# Altium PCB Mirror TurnSignal v1.0.PcbDoc
Units mm, origin at the board's own origin, x right, y up, seen from the top; angles counter-clockwise.
Board outline 81.4 x 47.08 mm, 2 copper layers (Top Layer, Bottom Layer); 30 components, 26 nets, 106 pads, 10 vias.
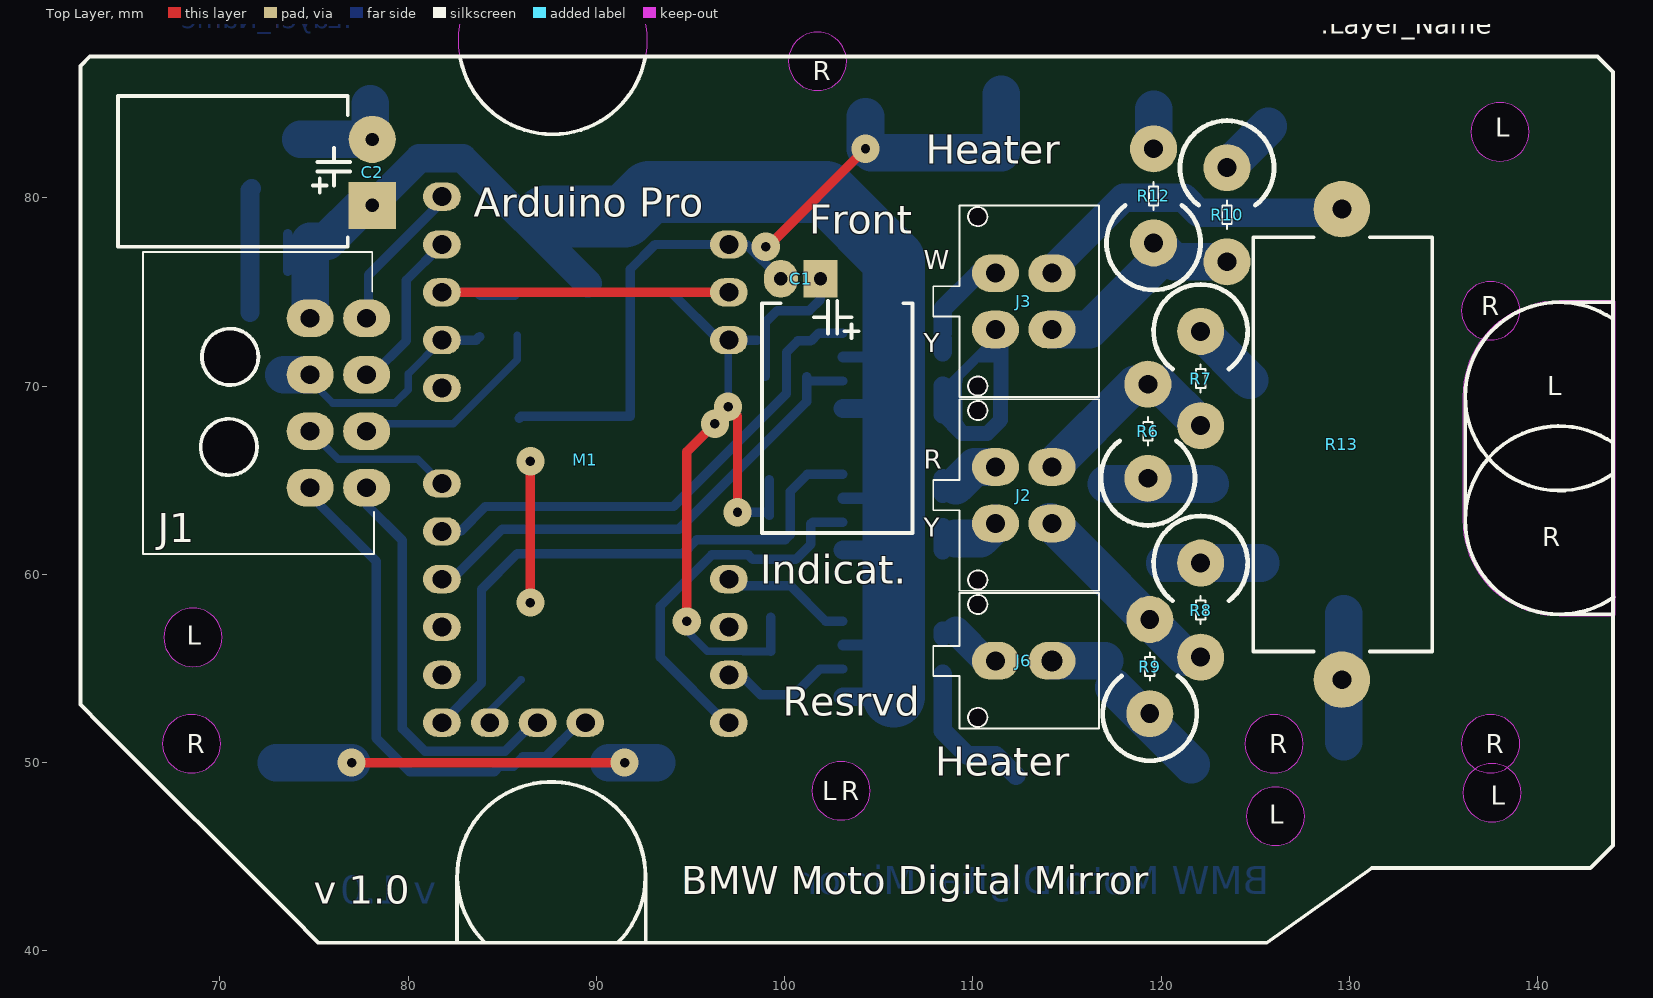
[diagram p0: Top Layer view]
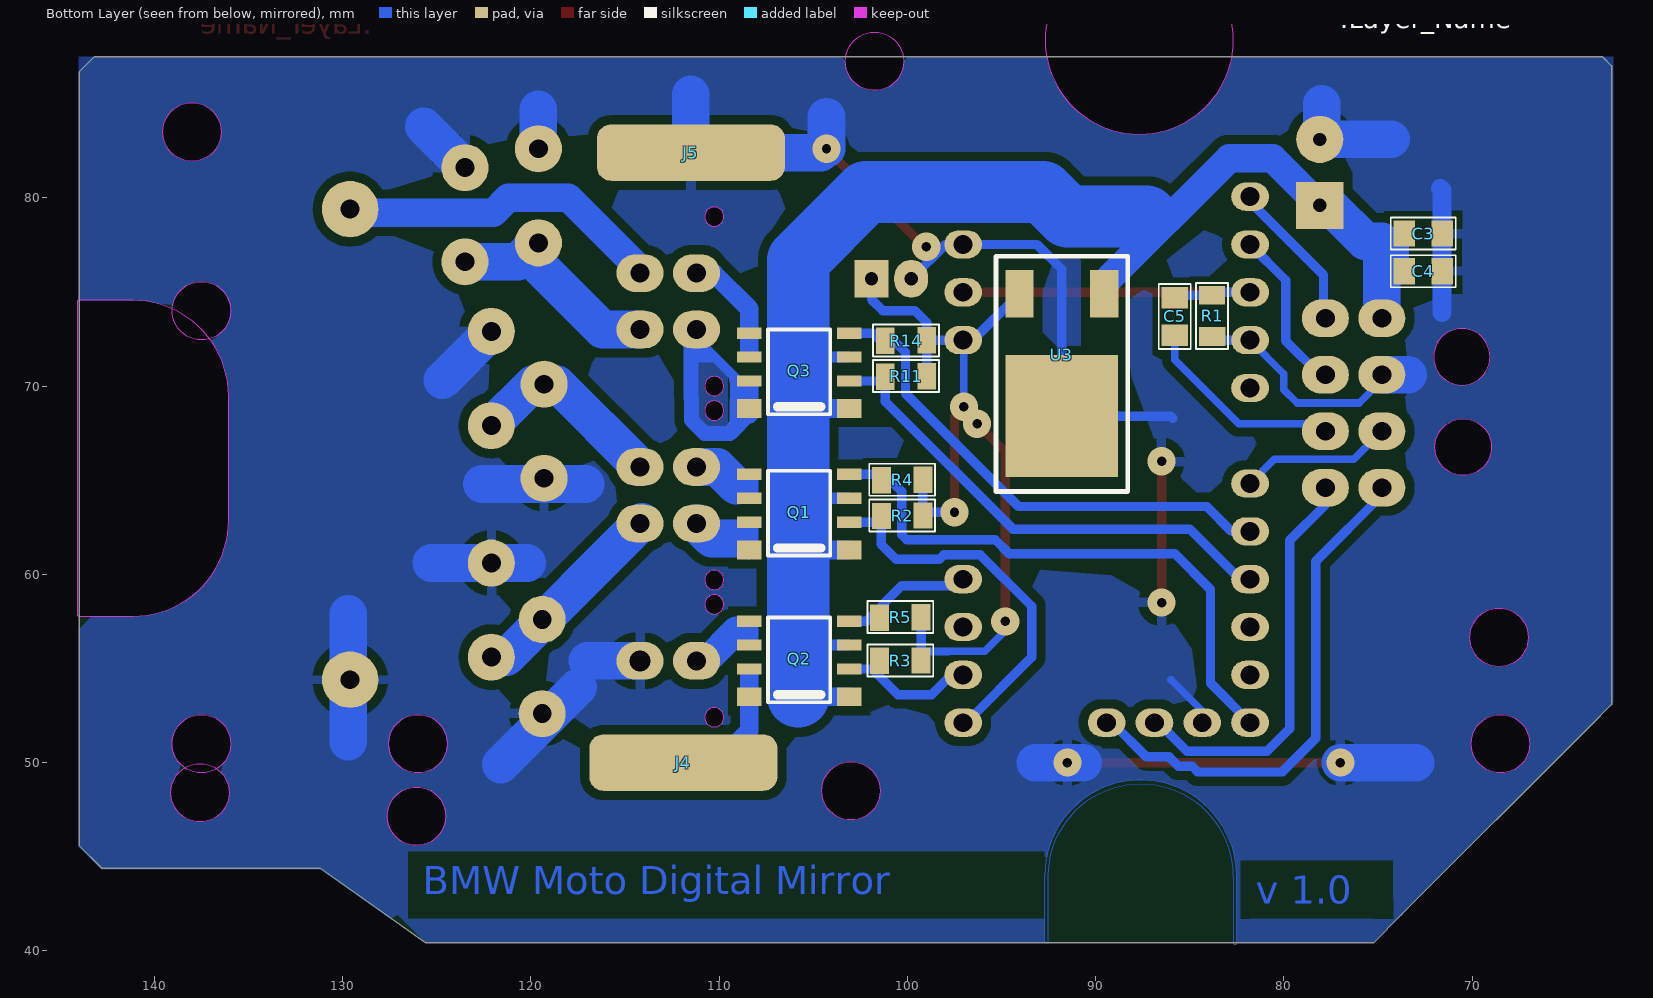
[diagram p1: Bottom Layer view, seen from below]
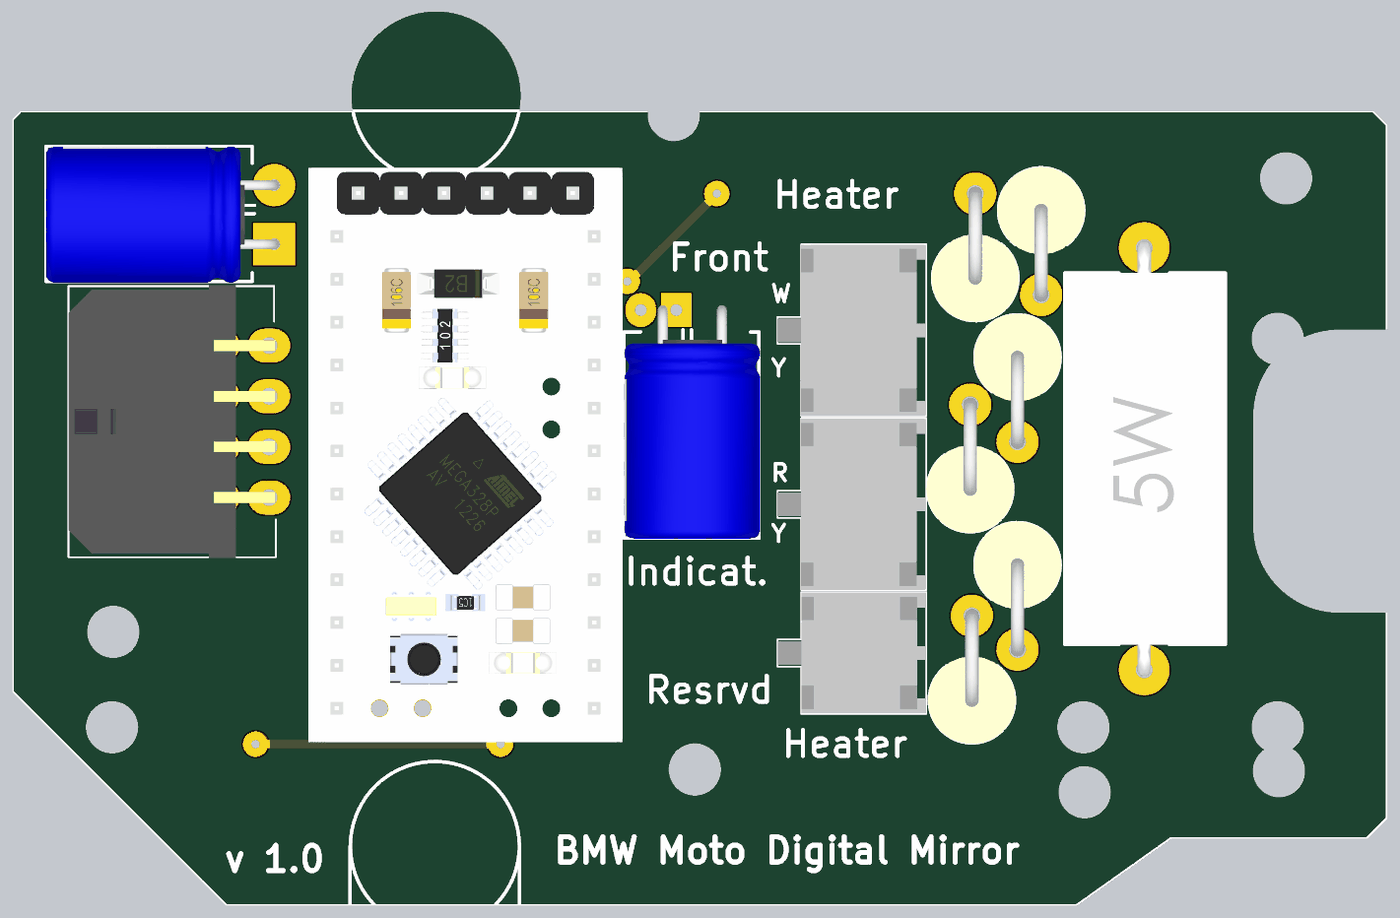
[diagram p2: 3D render of the assembled board from above, using the file's embedded part models]
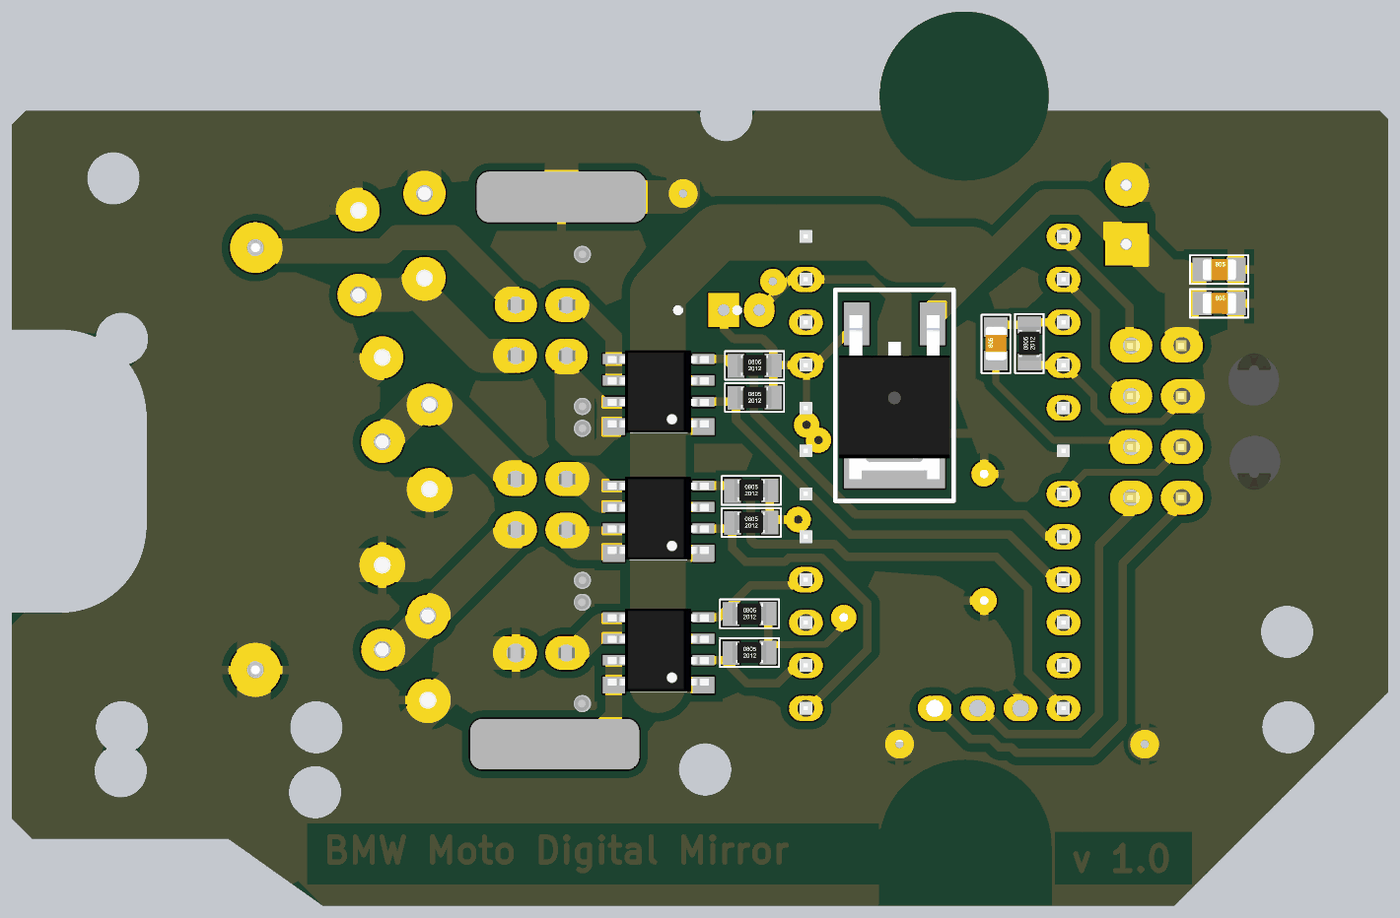
[diagram p3: 3D render of the assembled board from below, using the file's embedded part models]

## Layer stack, top to bottom
Top Solder: solder mask 0.0102, Solder Resist, Dk 3.5
Top Layer: signal copper 0.0356
Dielectric 1: dielectric 0.32, FR-4, Dk 4.8
Bottom Layer: signal copper 0.0356
Bottom Solder: solder mask 0.0102, Solder Resist, Dk 3.5

## Board outline
75.25,40.424 125.6,40.424 131.2,44.4 142.8,44.4 144,45.6 144,86.674 143.174,87.5 63.097,87.5 62.597,87 62.597,53.077 63.75,51.924 73.75,41.924
cut-out: 87.68,83.374 cw(c87.68,88.374) 82.68,88.374 cw(c87.68,88.374) 87.68,93.374 cw(c87.68,88.374) 92.68,88.374 cw(c87.68,88.374)
cut-out: 136.05,62.875 136.05,69.45 cw(c141.15,69.449) 141.15,74.55 143.999,74.55 cw(c143.999,74.449) 144.07,74.52 144.071,74.519 ccw(c144,74.448) 144.071,74.52 ccw(c143.999,74.449) 144.07,74.52 cw(c144,74.448) 144.071,74.52 cw(c143.999,74.449) 144.071,74.519 cw(c144,74.448) 144.1,74.448 144.1,57.874 cw(c144,57.874) 144,57.774 141.15,57.774 cw(c141.15,62.874)
cut-out: 136.025,48.4 ccw(c137.575,48.4) 137.575,46.85 ccw(c137.575,48.4) 139.125,48.4 ccw(c137.575,48.4) 137.575,49.95 ccw(c137.575,48.4)
cut-out: 135.95,51 ccw(c137.5,51) 137.5,49.45 ccw(c137.5,51) 139.05,51 ccw(c137.5,51) 137.5,52.55 ccw(c137.5,51)
cut-out: 135.95,74 ccw(c137.5,74) 137.5,72.45 ccw(c137.5,74) 139.05,74 ccw(c137.5,74) 137.5,75.55 ccw(c137.5,74)
cut-out: 136.45,83.5 ccw(c138,83.5) 138,81.95 ccw(c138,83.5) 139.55,83.5 ccw(c138,83.5) 138,85.05 ccw(c138,83.5)
cut-out: 100.2,87.25 ccw(c101.75,87.25) 101.75,85.7 ccw(c101.75,87.25) 103.3,87.25 ccw(c101.75,87.25) 101.75,88.8 ccw(c101.75,87.25)
cut-out: 101.45,48.5 ccw(c103,48.5) 103,46.95 ccw(c103,48.5) 104.55,48.5 ccw(c103,48.5) 103,50.05 ccw(c103,48.5)
cut-out: 66.95,51 ccw(c68.5,51) 68.5,49.45 ccw(c68.5,51) 70.05,51 ccw(c68.5,51) 68.5,52.55 ccw(c68.5,51)
cut-out: 67.025,56.65 ccw(c68.575,56.65) 68.575,55.1 ccw(c68.575,56.65) 70.125,56.65 ccw(c68.575,56.65) 68.575,58.2 ccw(c68.575,56.65)
cut-out: 124.525,47.15 ccw(c126.075,47.15) 126.075,45.6 ccw(c126.075,47.15) 127.625,47.15 ccw(c126.075,47.15) 126.075,48.7 ccw(c126.075,47.15)
cut-out: 124.45,51 ccw(c126,51) 126,49.45 ccw(c126,51) 127.55,51 ccw(c126,51) 126,52.55 ccw(c126,51)

## Design rules (kind name [scope] priority, off if disabled: settings)
Clearance Clearance_1 [InPolygon] p1: gap=0.5
Clearance [All] p2: gap=0.3
ComponentClearance [All] p1: gap=0.01 collisioncheckmode=3 verticalgap=0.2 showdistances=FALSE
Height [All] p1: minheight=0 maxheight=25 prefheight=12.7
HoleSize [All] p1: absolutevalues=TRUE maxlimit=3.2 minlimit=0.4 maxpercent=80.000 minpercent=20.000
HoleToHoleClearance [All] p1: gap=0.2 allowstackedmicrovias=TRUE
PlaneClearance [All] p1: clearance=0.5
PlaneConnect [All] p1: planeconnectstyle=Relief reliefexpansion=0.508 reliefentries=4 reliefconductorwidth=0.5 reliefairgap=0.5
PolygonConnect [All] p1: connectstyle=Relief reliefconductorwidth=0.5 reliefentries=4 polygonreliefangle="90 Angle" airgapwidth=0.5
RoutingVias [All] p1: holewidth=0.7 width=1.5 viastyle="Through Hole" minholewidth=0.4 minwidth=0.4 maxholewidth=3.2 maxwidth=7
SilkToSilkClearance [All] p1: silktosilkclearance=0.05
SilkToSolderMaskClearance [IsPad] p1: minsilkscreentomaskgap=0.2 clearancetoexposedcopper=TRUE
SolderMaskExpansion [All] p1: expansion=0.1
Width [All] p1: maxlimit=4 minlimit=0.2 preferedwidth=0.5
21 further rules are at their usual default settings.

## Components (designator, comment, footprint, x,y, rotation, side; value= is the part's Value field where it differs from the comment)
C1 "330uF 16V" "Cap E p3.5mm D8xH12 R - PR" 104.6,75.7 r180 top
C2 "470uF 25V" "Cap E p3.5mm D8xH12 R" 78.1,79.6 r90 top
C3 "0.1uF" "SMD 0805 (2012)"#1 73.6,78.1 r180 bottom
C4 "0.01uF" "SMD 0805 (2012)"#1 73.6,76.1 r180 bottom
C5 "0.01uF" "SMD 0805 (2012)"#1 85.8,72.7 r90 bottom
J1 "Connector" "Molex Micro-Fit 3.0 - 8 pin D R" 74.8,64.6 r270 top
J2 "Indicat." "Molex Micro-Fit 3.0 - 4 pin D" 114.2,65.7 r90 top
J3 "Front" "Molex Micro-Fit 3.0 - 4 pin D" 114.2,76 r90 top
J4 "Heater" "OnePin 3x10mm" 111.9,50 r90 top
J5 "Heater" "OnePin 3x10mm" 111.5,82.4 r90 top
J6 "Resrvd" "Molex Micro-Fit 3.0 - 2 pin D" 114.2,55.4 r90 top
M1 "Arduino Pro" "Arduino Pro Mini Low (no A0-3,6-7,D3)" 81.8,44.5 r90 top
Q1 "IRF7314" SO8 103.1,61.5 r0 bottom
Q2 "IRF7314" SO8 103.1,53.7 r0 bottom
Q3 "IRF7314" SO8 103.1,69 r0 bottom
R1 "10KOm" "SMD 0805 (2012)"#2 83.8,72.7 r90 bottom
R2 "10 kOm" "SMD 0805 (2012)"#2 101.3,63.1 r180 bottom
R3 "10 kOm" "SMD 0805 (2012)"#2 101.4,55.4 r180 bottom
R4 "10 kOm" "SMD 0805 (2012)"#2 101.3,65 r180 bottom
R5 "10 kOm" "SMD 0805 (2012)"#2 101.4,57.7 r180 bottom
R6 "xxOm" "Res p5 (3p) 2w" 119.3,65.1 r90 top
R7 "xxOm" "Res p5 (3p) 2w" 122.1,72.9 r270 top
R8 "xxOm" "Res p5 (3p) 2w" 122.1,60.6 r270 top
R9 "xxOm" "Res p5 (3p) 2w" 119.4,52.6 r90 top
R10 "xxOm" "Res p5 (3p) 2w" 123.5,81.6 r270 top
R11 "10 kOm" "SMD 0805 (2012)"#2 101.1,70.5 r180 bottom
R12 "xxOm" "Res p5 (3p) 2w" 119.6,77.6 r90 top
R13 "Om" "Res 5W L22mm, p25mm" 129.6,54.4 r90 top
R14 "10 kOm" "SMD 0805 (2012)"#2 101.1,72.4 r180 bottom
U3 "7805C" D-PAK 91.8,68.4 r90 bottom

## Footprints (in the part's own frame and the unit in brackets; to place one, negate y for a bottom-side part, rotate by r counter-clockwise, add the part's x,y. Pads: shape width x height; smd on the part's side, far side on the other; paste and mask are expansions set on the pad)
"Arduino Pro Mini Low (no A0-3,6-7,D3)" [mm]
  oval 1.5x2 hole 1: 5V(27.94,-15.24) A4(7.62,-5.08) A5(7.62,-7.62) D2(25.4,0) D4(20.32,0) D5(17.78,0) D6(15.24,0) D7(12.7,0) D8(10.16,0) D9(7.62,0) D10(7.62,-15.24) D11(10.16,-15.24) D12(12.7,-15.24) D13(15.24,-15.24) GND(7.62,-2.54) GND(27.94,0) GND(33.02,-15.24) Reset(30.48,-15.24) Reset(30.48,0) RXD(33.02,0) TXD(35.56,0)
  body extent 5.63,-16.93 39.63,1.67, height 12.5
"Cap E p3.5mm D8xH12 R" [mm] "D 8mm; H 12mm"
  rect 2.5x2.5 hole 0.7: 1(0,0)
  round 2.5 hole 0.7: 2(3.5,0)
  silkscreen extent -2.2,1.16 5.8,13.5, body extent -2.28,-0.3 5.78,13.53, height 8.13
"Cap E p3.5mm D8xH12 R - PR" [mm] "D 8mm; H 12mm"
  rect 1.8x2 hole 0.7: 1(2.7,0)
  oval 1.8x2 hole 0.7: 2(4.8,0)
  silkscreen extent -2.2,1.16 5.8,13.5, body extent -2.28,-0.3 5.78,13.53, height 8.13
D-PAK [mm]
  rect 2.54x1.5 smd: 1(6.5,-2.25) 3(6.5,2.25)
  rect 6.48x5.97 smd: 2(0,0)
  silkscreen extent -4,-3.5 8.5,3.5, body extent -2.7,-3.29 7,3.29, height 2.3
"Molex Micro-Fit 3.0 - 2 pin D" [mm]
  oval 2x2.5 hole 1.1: 1(0,0)
  oval 2x2.5 hole 1: 2(0,3)
  Keep-Out Layer board cut-out: -3,3.43 -3.195,3.469 -3.361,3.579 -3.471,3.745 -3.51,3.94 -3.51,3.94 -3.471,4.135 -3.361,4.301 -3.195,4.411 -3,4.45 -3,4.45 -2.805,4.411 -2.639,4.301 -2.529,4.135 -2.49,3.94 -2.49,3.94 -2.529,3.745 -2.639,3.579 -2.805,3.469 -3,3.43
  Keep-Out Layer board cut-out: 3,3.43 2.805,3.469 2.639,3.579 2.529,3.745 2.49,3.94 2.49,3.94 2.529,4.135 2.639,4.301 2.805,4.411 3,4.45 3,4.45 3.195,4.411 3.361,4.301 3.471,4.135 3.51,3.94 3.51,3.94 3.471,3.745 3.361,3.579 3.195,3.469 3,3.43
  silkscreen extent -3.6,-2.5 3.6,6.3, body extent -3.58,-2.47 3.58,6.29, height 9.95
"Molex Micro-Fit 3.0 - 4 pin D" [mm]
  oval 2x2.5 hole 1: 1(0,0) 2(-3,0) 3(0,3) 4(-3,3)
  Keep-Out Layer board cut-out: 3,3.43 2.805,3.469 2.639,3.579 2.529,3.745 2.49,3.94 2.49,3.94 2.529,4.135 2.639,4.301 2.805,4.411 3,4.45 3,4.45 3.195,4.411 3.361,4.301 3.471,4.135 3.51,3.94 3.51,3.94 3.471,3.745 3.361,3.579 3.195,3.469 3,3.43
  Keep-Out Layer board cut-out: -6,3.43 -6.195,3.469 -6.361,3.579 -6.471,3.745 -6.51,3.94 -6.51,3.94 -6.471,4.135 -6.361,4.301 -6.195,4.411 -6,4.45 -6,4.45 -5.805,4.411 -5.639,4.301 -5.529,4.135 -5.49,3.94 -5.49,3.94 -5.529,3.745 -5.639,3.579 -5.805,3.469 -6,3.43
  silkscreen extent -6.58,-2.5 3.6,6.3, body extent -6.57,-2.44 3.58,6.33, height 9.95
"Molex Micro-Fit 3.0 - 8 pin D R" [mm]
  oval 2x2.5 hole 1: 1(0,0) 2(-3,0) 3(-6,0) 4(-9,0) 5(0,3) 6(-3,3) 7(-6,3) 8(-9,3)
  Keep-Out Layer board cut-out: -6.95,-5.75 -7.524,-5.636 -8.011,-5.311 -8.336,-4.824 -8.45,-4.25 -8.45,-4.25 -8.336,-3.676 -8.011,-3.189 -7.524,-2.864 -6.95,-2.75 -6.95,-2.75 -6.376,-2.864 -5.889,-3.189 -5.564,-3.676 -5.45,-4.25 -5.45,-4.25 -5.564,-4.824 -5.889,-5.311 -6.376,-5.636 -6.95,-5.75
  Keep-Out Layer board cut-out: -3.66,-4.32 -3.546,-4.894 -3.221,-5.381 -2.734,-5.706 -2.16,-5.82 -2.16,-5.82 -1.586,-5.706 -1.099,-5.381 -0.774,-4.894 -0.66,-4.32 -0.66,-4.32 -0.774,-3.746 -1.099,-3.259 -1.586,-2.934 -2.16,-2.82 -2.16,-2.82 -2.734,-2.934 -3.221,-3.259 -3.546,-3.746 -3.66,-4.32
  silkscreen extent -12.52,-8.87 3.52,3.4, body extent -12.57,-8.87 3.58,3.37, height 8.73
"OnePin 3x10mm" [mm]
  rrect50% 3x10 smd far side: 1(0,0)
"Res 5W L22mm, p25mm" [mm] "L22mm p25; horisontal"
  round 3 hole 1: 1(0,0) 2(25,0)
  silkscreen extent 1.5,-4.8 23.5,4.7, body extent -0.4,-4.75 25.41,4.75, height 9.01
"Res p5 (3p) 2w" [mm] "L p5mm; horisontal"
  round 2.5 hole 1: 1(0,0) 2(5,0)
  silkscreen extent -2.5,-2.5 3.25,2.5, body extent -2.6,-2.6 5.4,2.6, height 22.1
"SMD 0805 (2012)"#1 [mil]
  rect 45x55 smd: 1(0,0) 2(78.74,0)
  silkscreen extent -29,-33 107,33, body extent 1,-25 80,25, height 31
"SMD 0805 (2012)"#2 [mil]
  rect 39.37x55.12 smd: 1(-2.95,0) 2(83.66,0.98)
  silkscreen extent -29,-32 109,34, body extent 1,-24 80,26, height 18
SO8 [mm]
  rect 1.3x1 smd: 1(0,0.2) 8(5.3,0.2)
  rect 1.3x0.6 smd: 2(0,-1.27) 3(0,-2.54) 4(0,-3.81) 5(5.3,-3.81) 6(5.3,-2.54) 7(5.3,-1.27)
  silkscreen extent 1,-4 4.3,0.5, body extent -0.32,-4.33 5.67,0.57, height 1.6

## Part data
C1 C2: library part "Cap Elecrolitic", "Capacitor"
C3 C4 C5: library part "Cap SMD 0402-1812", "Capacitor"
J1: library part "Micro-Fit 8R (2x4)", "Horisontal, Dbl line, Male - 3mm"
J2 J3: library part "Micro-Fit 4R (2x2)", "Horisontal, Dbl line, Male - 3mm"
J4 J5: library part "OnePin Connector", "Only pad"
J6: library part "Micro-Fit 2R (1x2)", "Horisontal, Dbl line, Male - 3mm"
M1: library part "Arduino Pro Micro"
Q1 Q2 Q3: "Dual P-Ch  20V - 0.058? - 5.3A"
R1 R2 R3 R4 R5 R11 R14: library part "Res All Types"
R6 R7 R8 R9 R10 R12: library part "Res 2W", "5W Cement"
R13: library part "Res 5W", "5W Cement"
U3: "Voltage Regulator"

## Via types
v1: diameter 1.5, hole 0.5, Top Layer to Bottom Layer, 10 vias

## Nets (pads, with @x,y where several pads share a name; then routed paths per layer and width w, separated by ;. In a path a pad name is that pad's centre, name@x,y a point inside that pad or via, vN(x,y) a via of type N, cw(c..) or ccw(c..) an arc to the next point about the centre after c; other vN are vias at no path point)
+5V: C1.1 M1.5V R2.2 R3.2 R4.2 R5.2 R11.2 R14.2 U3.3 | length 45.2
  Top Layer w0.5: v1(94.8,57.5) 94.8,66.5 v1(96.3,68) ; v1(97,68.9) 97.5,68.4 v1(97.5,63.3)
  Bottom Layer w0.4: v1(94.8,57.5) 94.8,57 95.89,55.91 97.808,55.91 97.818,55.9 R3.2@99.275,55.9 ; v1(96.3,68) 96.3,68.2 v1(97,68.9) 97,72.4 M1.5V
  Bottom Layer w0.5: U3.3 96.51,72.44 M1.5V R14.2@98.54,72.44 ; v1(97.5,63.3) R2.2@99,63.3 ; R11.2 R14.2 98.975,73.375 99.6,74 101.3,74 101.9,74.6 C1.1 ; R2.2 R4.2 ; R3.2@99.275,55.9 R5.2
+12V: C2.1 C3.1 C4.1 J1.4 Q1.1 Q1.3 Q2.1 Q2.3 Q3.1 Q3.3 U3.1 | length 84.9
  Bottom Layer w0.5: C4.1 C3.1
  Bottom Layer w0.6: Q2.3 105.74,56.24 ; Q1.3 105.64,64.04 105.8,64.2 ; Q3.3 105.8,71.54
  Bottom Layer w1: Q2.1 105.8,53.5 ; Q1.1 105.3,61.3 ; Q3.1 105.8,68.8
  Bottom Layer w1.5: C2.1@77.4,79.6 C2.1 80.6,82.1 82.9,82.1 U3.1@89.55,75.45
  Bottom Layer w2: J1.4 74.8,77.7 75.7,77.7 C2.1@77.5,79.5
  Bottom Layer w3.3: 87.3,79 91.489,79 92.789,80.3 102.2,80.3 105.8,76.7 105.8,71.54 105.8,64.2 105.8,53.5
DIG: J1.2 M1.D4 | length 8.5
  Bottom Layer w0.4: J1.2@74.8,67.9 J1.2 76.3,66.1 80.52,66.1 M1.D4
GND: C1.2 C2.2 C3.2 C4.2 J1.3 J5.1 J6.1 M1.GND R1.1 R6.1 R7.1 R8.1 R9.1 R10.1 R12.2 R13.1 U3.2 | length 135.9
  Top Layer w0.5: v1(77,50) v1(91.5,50) ; v1(86.5,58.5) v1(86.5,66) ; v1@99.2,77.5 v1(104.3,82.6)
  Bottom Layer w0.4: J1.3@74.8,70.3 76,69.1 79.3,69.1 80,69.8 80,70.64 81.8,72.44 M1.GND@81.8,72.229 ; M1.GND@84.34,52.12 84.34,52.74 86,54.4
  Bottom Layer w0.5: C4.2 C3.2 ; J1.3@74.8,70.3 J1.3 ; M1.GND@81.8,72.44 83.615,72.44 R1.1 ; 85.9,68.3 86,68.4 U3.2 91.8,76.2 93.12,77.52 97.04,77.52 97.98,77.52 C1.2
  Bottom Layer w1: 71.6,73.9 71.6,80.4 71.7,80.5
  Bottom Layer w2: 73,50 v1(77,50) ; 73.408,70.6 J1.3 ; 74.3,83.1 78,83.1 78,85 ; 90.675,50 93.2,50 ; v1(104.3,82.6) 104.3,84.3 ; v1@104.6,82.4 J5.1 111.5,85.5 ; J6.1 117,55.4 ; 117.1,64.8 122.6,64.8 ; 117.5,54 121.6,49.9 ; R12.2 119.6,84.7 ; 120.2,60.6 R8.1 125.3,60.6 ; R7.1 124.7,70.3 ; R10.1 125.7,83.8 ; 129.7,51.1 129.7,57.9
  other v1: 99,77.4
NetC5_2: C5.2 M1.Reset R1.2 | length 19.2
  Top Layer w0.5: M1.Reset@81.8,74.98 M1.Reset@97.04,74.98
  Bottom Layer w0.5: M1.Reset@81.8,74.98 83.67,74.98 R1.2 C5.2@85.675,74.825
NetJ2_1: J2.1 R6.2 R7.2 | length 10.6
  Bottom Layer w2: J2.1 118.6,70.1 R6.2 119.9,70.1 R7.2
NetJ2_2: J2.2 R8.2 R9.2 | length 11
  Bottom Layer w2: J2.2@114.1,62.8 121.3,55.6 R8.2
NetJ3_1: J3.1 R13.2 | length 17.2
  Bottom Layer w1.5: J3.1@114.1,76.1 118,80 121.2,80 122,79.2 R13.2@129.4,79.2
NetJ3_2: J3.2 R10.2 R12.1 | length 12.3
  Bottom Layer w2: J3.2 116.2,73 119.6,76.4 R12.1 119.7,77.6 120.7,76.6 R10.2
O-DIGITAL: J6.2 Q2.5 Q2.6 | length 3.1
  Bottom Layer w0.8: J6.2@110.7,55.4 J6.2
  Bottom Layer w1: 108.4,56.7 108.4,57
  Bottom Layer w1.5: 109.1,57 J6.2@110.7,55.4
O-HEATER: J4.1 Q2.7 Q2.8 | length 9.1
  Bottom Layer w1: Q2.8 108.4,54.7 108.4,51.693 109.713,50.38 111.22,50.38 J4.1@112.3,49.3
O-HLIGHT: J3.3 Q3.5 Q3.6 | length 5.6
  Bottom Layer w1: Q3.6@108.4,71.8 108.4,72.5 ; Q3.5 108.4,74.1 110.3,76 J3.3
O-IRED: J2.3 Q1.5 Q1.6 | length 3.9
  Bottom Layer w1: Q1.6@108.4,64.3 Q1.5@108.4,65.1 ; J2.3 J2.3@111.58,66.08
  Bottom Layer w2: 109.1,64.7 110.1,65.7 J2.3
O-IYELLOW: J2.4 Q1.7 Q1.8 | length 4.2
  Bottom Layer w1: Q1.8 Q1.7@108.4,62.5 ; J2.4@110.6,62.7 J2.4
  Bottom Layer w2: 109.1,61.9 110.4,61.9 J2.4
O-TURN: J3.4 Q3.7 Q3.8 | length 14.6
  Bottom Layer w0.5: Q3.7@108.7,70 J3.4@111.5,72.8
  Bottom Layer w0.6: Q3.7@108.4,70 Q3.7@108.7,70
  Bottom Layer w0.8: Q3.8@108.4,68.5 109.42,67.48 110.765,67.48 111.48,68.195 111.48,69.38 111.5,69.4 J3.4@111.5,72.8 ; J3.4 J3.4@111.5,72.7
  Bottom Layer w1: Q3.8@108.4,68.5 Q3.8 108.4,70 Q3.7@108.42,70.02
OL-DIGITAL: M1.D13 Q2.4 R5.1 | length 7
  Bottom Layer w0.5: M1.D13 97.38,59.4 100.3,59.4 102.19,57.51 Q2.4
OL-HEATER: M1.D11 Q2.2 R3.1 | length 7.5
  Bottom Layer w0.5: M1.D11@97.46,54.66 M1.D11 97.66,54.66 98.72,53.6 100.5,53.6 101.87,54.97 Q2.2
OL-HLIGHT: M1.D5 Q3.4 R14.1 | length 27
  Bottom Layer w0.5: M1.D5 82.78,62.28 84.1,63.6 94.1,63.6 100.1,69.6 100.1,71.8 100.7,72.4 101.4,72.4 101.81,72.81 Q3.4
OL-IRED: M1.D9 Q1.4 R4.1 | length 31
  Bottom Layer w0.5: M1.D9 83.9,54.22 83.9,59.2 85.8,61.1 94.6,61.1 95.34,61.84 100.04,61.84 100.3,62.1 100.3,64.4 101.21,65.31 Q1.4
OL-IYELLOW: M1.D10 Q1.2 R2.1 | length 20.1
  Bottom Layer w0.5: M1.D10@96.96,52.04 93.4,55.6 93.4,58.3 96.14,61.04 98.06,61.04 98.3,60.8 100.6,60.8 101.4,61.6 101.4,62.675 101.495,62.77 Q1.2
OL-TURN: M1.D6 Q3.2 R11.1 | length 26.5
  Bottom Layer w0.5: M1.D6 82.34,59.74 85,62.4 94.4,62.4 101.175,69.175 R11.1 ; R11.1@101.245,70.27 Q3.2
RST: C5.1 J1.6 | length 10.9
  Bottom Layer w0.4: J1.6 78.2,68 82.4,68 85.8,71.4 C5.1
RX: J1.7 M1.RXD | length 8.8
  Bottom Layer w0.5: J1.7 78.1,70.6 79.9,72.4 79.9,75.62 M1.RXD
SCL: J1.1 M1.A5 | length 27.7
  Bottom Layer w0.5: J1.1 74.8,64.2 78.3,60.7 78.3,51.3 80.1,49.5 84.575,49.5 84.875,49.8 85.6,49.8 86.1,50.3 87.3,50.3 89.12,52.12 M1.A5
SDA: J1.5 M1.A4 | length 21.9
  Bottom Layer w0.5: J1.5 77.8,63.7 79.7,61.8 79.7,51.8 80.9,50.6 85.15,50.6 86.67,52.12 M1.A4
TX: J1.8 M1.TXD | length 9
  Bottom Layer w0.5: J1.8 J1.8@78.7,73.6 ; J1.8@77.9,73.6 77.9,75.9 81.8,79.8 M1.TXD
pads on no net: M1.D2 M1.D7 M1.D8 M1.D12

## Polygon pours and split planes (outlines as drawn)
no net on Bottom Layer "Top Layer-No Net" (none, pour order 4): 82.499,40.448 82.499,43.974 cw(c82.599,43.974) 82.51,44.02 cw(c87.61,43.974) 92.71,44.02 cw(c92.621,43.974) 92.721,43.974 92.721,40.529 cw(c92.621,40.529) 92.52,40.529 92.52,43.929 cw(c92.61,43.974) 92.51,43.974 ccw(c87.61,43.974) 82.71,43.974 cw(c82.61,43.974) 82.7,43.929 82.7,40.448 cw(c82.599,40.448)
GND on Bottom Layer "Top Layer-No Net" (solid, pour order 2): 144.025,87.5 62.5,87.5 62.5,40.5 144.025,40.5 144.025,87.5
GND on Bottom Layer "Top Layer-No Net" (solid, pour order 7): 111.25,80.399 109.101,80.399 109.1,80.4 109.075,80.375 109.075,78.075 111.25,78.075 111.25,80.399
O-TURN on Bottom Layer "Top Layer-No Net" (solid, pour order 9): 108.1,68.696 108.1,68.356 109.293,67.2 110.866,67.2 111.702,68.01 111.725,68.032 111.725,73.625 111.725,73.228 108.1,69.716
GND on Bottom Layer "Top Layer-No Net" (solid, pour order 11): 112.2,60.636 108.074,60.636 108.058,60.65 108.025,60.622 108.025,57.572 109.99,57.572 110.252,57.346 110.973,56.725 112.25,56.725
GND on Bottom Layer "Top Layer-No Net" (solid, pour order 13): 125.6,40.424 129.576,44.4 131.2,44.4 131.2,48.925 125.5,54.625 117.4,46.525 99.975,46.525 98.35,46.525 92.95,51.925 92.9,51.975 91.4,51.975 90.855,51.975 87.944,49.064 87.605,48.725 73.375,48.725 73.375,42.299 75.25,40.424
GND on Bottom Layer "Top Layer-No Net" (solid, pour order 15): 111.225,53.725 110.8,53.725 109.7,54.825 109.575,54.7 108.4,54.7 108.4,51.2 108.475,51.125 108.55,51.05 113.3,51.05 113.3,53.65 113.225,53.725
GND on Bottom Layer "Top Layer-No Net" (solid, pour order 17): 90.912,51.975 90.912,51.614 90.405,51.108 90.022,50.725 79.8,50.725 79,50.725 77.775,51.95 77.825,52 77.825,55.7 73.875,55.7 72.1,53.925 71.325,53.15 71.325,47.75 71.325,47.6 72.375,46.55 72.75,46.175 92.675,46.175 92.675,51.175 91.85,52

## Other copper
Top Layer:
  text ".Layer_Name" at 128.475,88.7 h1
Bottom Layer:
  region net O-TURN: 111.325,71.225 111.325,72.6 111.3,72.625 109.95,71.275 109.85,71.275
  region net O-TURN: 108.4,70 109.125,70.725 109.45,70.925 109.55,70.74 109.4,70.1 109.425,68.6 109.425,68.15 109.775,67.65 109.42,67.48 108.4,68.5
  text ".Layer_Name" at 77,89 h1
  text "BMW Moto Digital Mirror" at 125.75,43 h1.5
  text "v 1.0" at 81.5,42.5 h1.5

## Silkscreen, mask and mechanical layers (free items; w line width, h text height)
Top Overlay:
  lines w0.2: 82.599,40.448 82.599,43.974 ; 82.61,43.974 cw(c87.61,43.974) 92.61,43.974 ; 82.624,40.424 92.625,40.424 ; 82.776,87.399 ccw(c87.68,88.374) 92.584,87.399 ; 84.074,40.439 cw(c87.61,43.974) 91.146,40.439 ; 92.621,40.529 92.621,43.974 ; 143.993,73.562 ccw(c141.15,69.449) 143.998,65.339 ; 144.013,66.973 ccw(c141.15,62.874) 144.026,58.784 ; 62.597,53.077 62.597,58.827 62.597,63.077 62.597,87 63.097,87.5 104.018,87.5 107.576,87.5 131.326,87.5 143.174,87.5 144,86.674 144,45.6 142.8,44.4 131.2,44.4 125.6,40.424 109.75,40.424 108.424,40.424 86.177,40.424 85,40.424 75.25,40.424 73.75,41.924 63.75,51.924 62.597,53.077 ; 136.15,62.875 ccw(c141.15,62.874) 141.15,57.874 144,57.874 144,74.448 143.999,74.449 141.15,74.449 ccw(c141.15,69.449) 136.15,69.45 136.15,62.875
  text ".Layer_Name" at 128.475,88.7 h1
  text "R" at 101.5,86.25 h1
  text "L" at 137.75,83.25 h1
  text "W" at 107.4,76.2 h1
  text "R" at 137,73.75 h1
  text "Y" at 107.4,71.8 h1
  text "L" at 140.5,69.5 h1
  text "R" at 107.4,65.6 h1
  text "Y" at 107.4,62 h1
  text "R" at 140.25,61.5 h1
  text "L" at 68.25,56.25 h1
  text "R" at 68.25,50.5 h1
  text "R" at 125.75,50.5 h1
  text "R" at 137.25,50.5 h1
  text "L" at 102,48 h1
  text "R" at 103,48 h1
  text "L" at 137.5,47.75 h1
  text "L" at 125.75,46.75 h1
  text "BMW Moto Digital Mirror" at 94.5,43 h1.5
  text "v 1.0" at 75,42.5 h1.5
Bottom Overlay:
  text ".Layer_Name" at 77,89 h1
Top Solder:
  text ".Layer_Name" at 128.475,88.7 h1
Bottom Solder:
  text ".Layer_Name" at 77,89 h1
Mechanical 2:
  text "81.5 x 47 mm Left and Right Version" at 63,92.25 h1
  text "F800 dMirror - Turn, Runlight, Indicator signals." at 62.975,90.475 h1
  text ".Pcb_File_Name_No_Path" at 62.925,88.425 h1
Mechanical 3:
  text "81.5 x 47 mm Left and Right Version" at 143.5,92.25 h1
  text "F800 dMirror - Turn, Runlight, Indicator signals." at 143.475,90.475 h1
  text ".Pcb_File_Name_No_Path" at 143.425,88.425 h1
Mechanical 5:
  circle w0.2: c101.75,87.25 r1.55
  circle w0.2: c68.5,51 r1.55
  circle w0.2: c103,48.5 r1.55
  circle w0.2: c126,51 r1.55
  circle w0.2: c137.5,51 r1.55
  circle w0.2: c137.5,74 r1.55
  circle w0.2: c138,83.5 r1.55
  circle w0.2: c126.075,47.15 r1.55
  circle w0.2: c68.575,56.65 r1.55
  circle w0.2: c137.575,48.4 r1.55
  lines w0.2: 31.05,75.674 164.25,75.674 ; 34.75,87.174 149.05,87.174 ; 43.25,64.174 163.25,64.174 ; 47,56.724 47,61.224 ; 49.65,52.674 149.75,52.674 ; 51.5,50.424 51.5,95.624 ; 62.977,49.426 63,98.724 ; 71.05,41.174 147.25,41.174 ; 74.5,35.924 74.5,101.924 ; 86,34.224 86,103.424 ; 90.75,29.674 128.25,29.674 ; 97.5,24.924 97.5,97.174 ; 109,23.824 109,104.724 ; 120.5,26.424 120.5,102.924 ; 132,39.424 132,101.424 ; 143.5,38.424 143.5,95.324